# Altium PCB V1I1.PcbDoc (part 2 of 2)
Units mm, origin at the board's own origin, x right, y up, seen from the top; angles counter-clockwise.
Board outline 70 x 150 mm, 4 copper layers (Top Layer, GND, Power, Bottom Layer), stack 1.743 mm thick; 161 components, 106 nets, 602 pads, 656 vias.
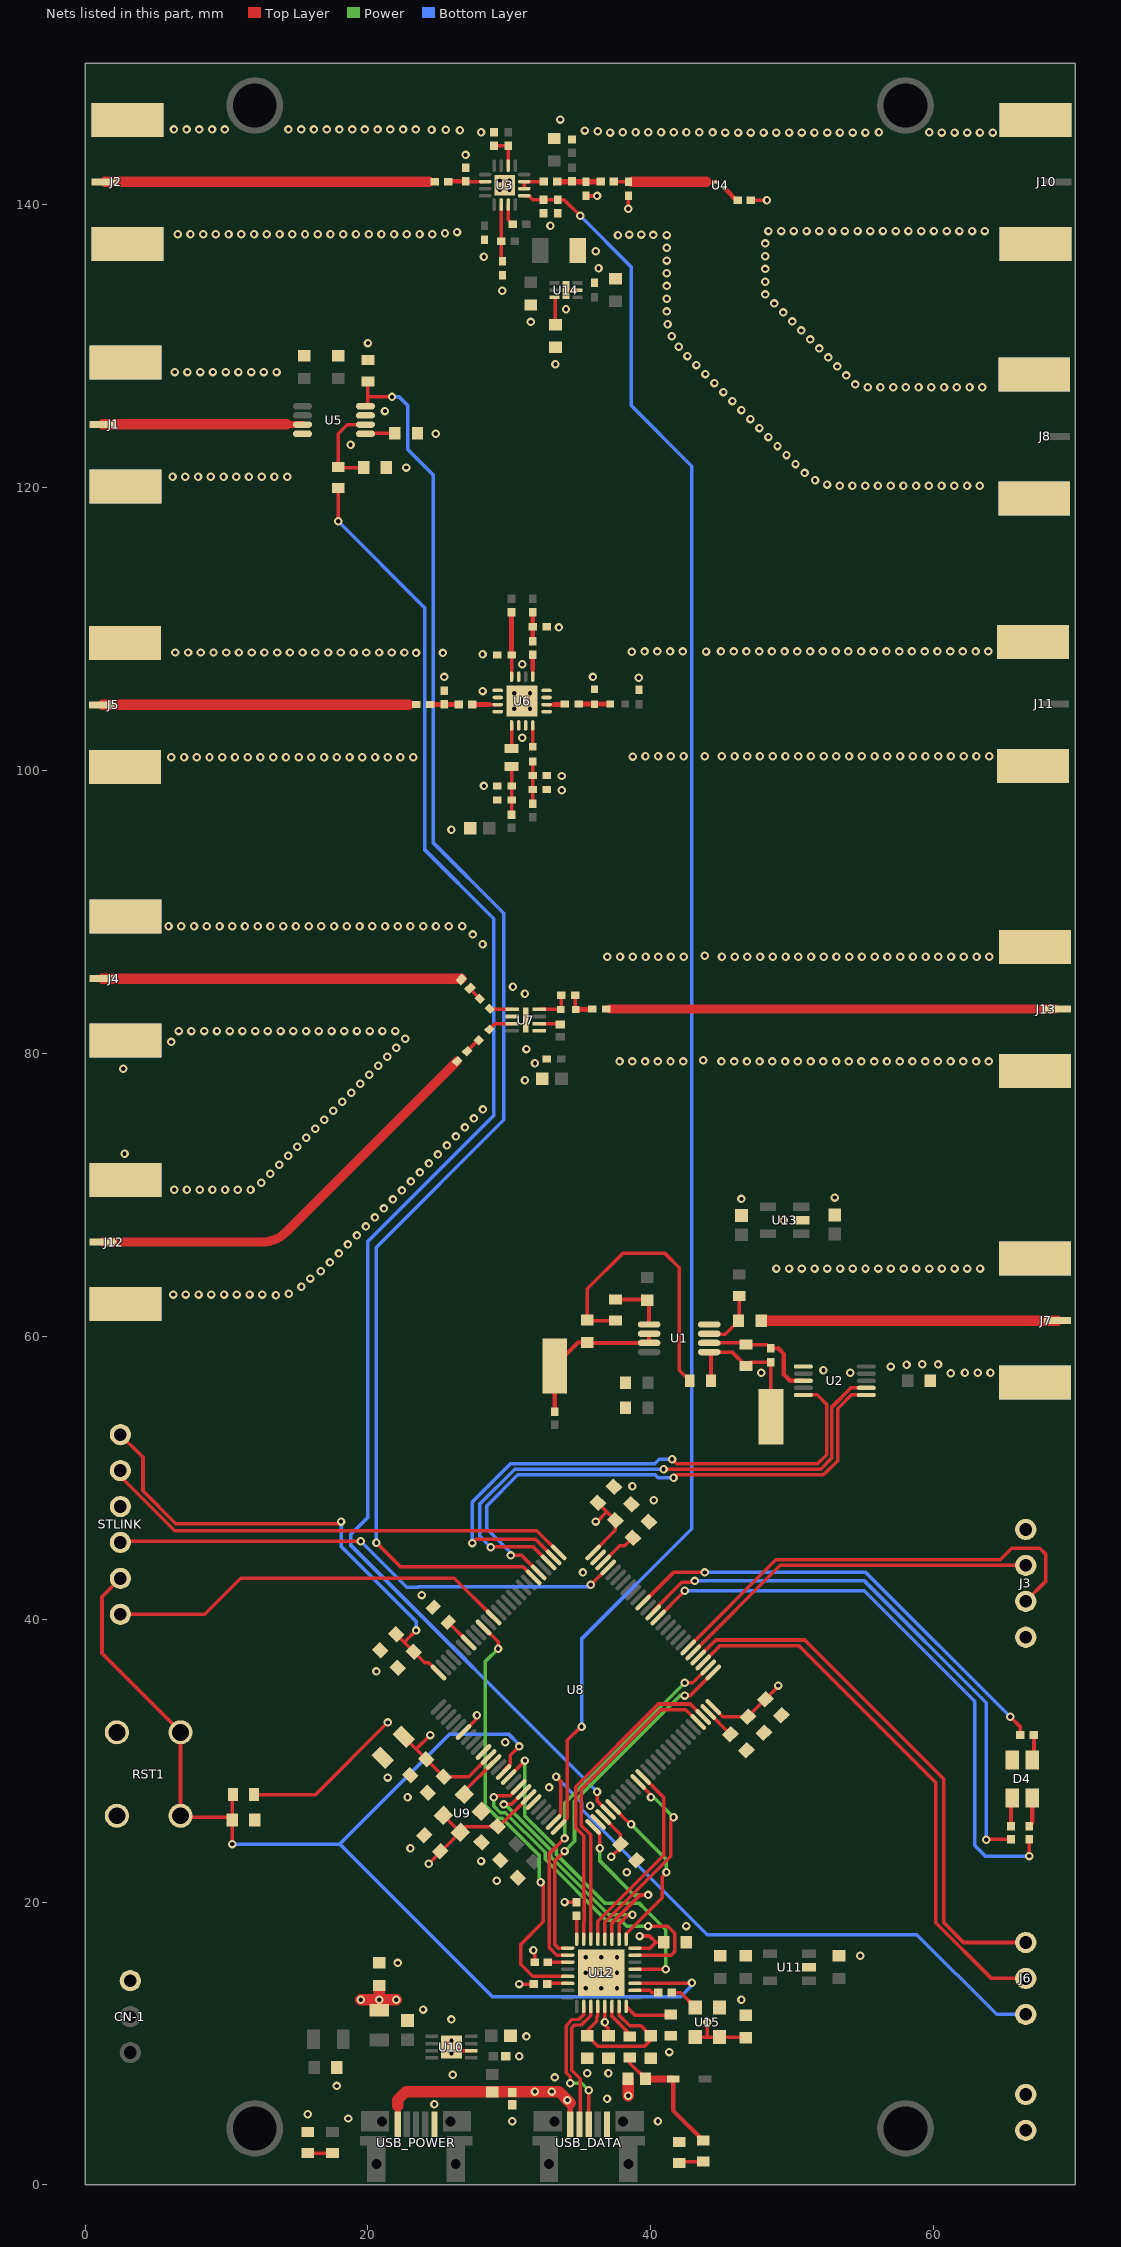
[diagram p4: the nets of this part, all layers, seen from the top]

## Via types
v1: diameter 0.6, hole 0.3, Top Layer to Bottom Layer, tented both sides, 646 vias
v2: diameter 0.6, hole 0.3, Top Layer to Bottom Layer, 10 vias

## Nets (pads, with @x,y where several pads share a name; then routed paths per layer and width w, separated by ;. In a path a pad name is that pad's centre, name@x,y a point inside that pad or via, vN(x,y) a via of type N, cw(c..) or ccw(c..) an arc to the next point about the centre after c; other vN are vias at no path point) (continued)
D3V3: C32.2 C33.1 C35.2 C36.2 C37.2 C38.1 C39.1 C40.1 C41.2 C42.1 C46.2 C47.1 C55.2 C57.2 C58.2 C75.2 FB2.2 J3.1 R12.2 R17.2 R18.2 R19.2 STLINK.1 U8.6 U8.11 U8.19 U8.28 U8.50 U8.75 U8.100 U9.1 U9.4 U12.21 U12.32 U15.1 U15.4 | length 100
  Top Layer w0.25: STLINK.1@2.5,53.04 4.1,51.44 4.1,49.066 6.416,46.75 17.95,46.75 v1(18.1,46.9) ; R12.2@11.95,27.6 16.3,27.6 v1(21.4,32.7) ; C36.2@22.004,38.934 24.019,36.919 24.302,36.919 U8.100@24.991,36.229 ; C40.1@22.534,31.686 23.421,30.8 ; 22.638,38.376 22.638,38.438 v1(23.4,39.2) ; v1(24.3,22.7) 24.3,22.704 U9.1@26.529,24.933 ; v1(24.4,31.8) 23.421,30.821 23.421,30.8 ; U9.4@25.327,26.136 U9.1@26.529,24.933 ; U8.6@26.759,32.022 27.7,32.963 v1(27.7,33.2) ; U8.11@28.527,30.254 27.13,28.858 C38.1@25.363,28.858 23.421,30.8 ; v1(30.7,14.2) R19.2@31.725,14.2 ; U8.19@31.355,27.426 29.252,25.322 26.918,25.322 U9.1@26.529,24.933 ; v1(31.7,16.6) 31.775,16.525 R18.2@31.775,15.75 ; v1(33.9,20) R17.2@34.725,20 ; U8.75@35.916,44.715 37.49,46.288 C33.1@37.49,46.995 36.892,47.592 ; v1(36.1,46.9) 36.2,46.9 36.892,47.592 ; C37.2@36.252,48.233 36.892,47.592 ; U8.28@36.623,26.012 37.843,24.792 C47.1@37.843,24.085 37.843,23.843 v1(37.2,23.2) ; U12.21@36.75,12.625 36.75,11.3 37,11.05 C57.2@37,10.55 ; U12.32@38.875,16.75 39.95,16.75 40.35,17.15 ; v1(39.2,17.6) 39.9,17.6 40.35,17.15 ; C58.2@40.9,17.15 40.35,17.15 ; U15.4@43.15,10.45 44,10.45 ; v1(44,11.5) 44,10.45 ; U8.50@44.402,33.79 45.091,33.101 C46.2@46.859,33.101 C35.2@48.096,34.338 49,35.242 v1(49,35.3) ; C75.2@46.4,10.4 46.35,10.45 U15.1@44.85,10.45 44,10.45
  Top Layer w0.8: v1(19.5,13.1) v1(20.8,13.1) ; FB2.2@20.8,12.35 v1(20.8,13.1) ; C55.2@20.8,14.1 v1(20.8,13.1) ; v1@21.999,13.101 v1(21.998,13.1) v1(20.8,13.1)
  Bottom Layer w0.25: v1(18.1,46.9) 18.1,45.15 23.4,39.85 v1(23.4,39.2)
  other v1: 36.75,11.5
GND: C2.2 C4.2 C5.1 C6.2 C8.1 C9.1 C10.1 C11.1 C12.2 C13.1 C14.1 C15.1 C17.1 C18.1 C19.2 C20.2 C21.1 C22.2 C24.1 C25.2 C26.2 C31.1 C32.1 C33.2 C34.1 C35.1 C36.1 C37.1 C38.2 C39.2 C40.2 C41.1 C42.2 C43.1 C44.2 C45.1 C46.1 C47.2 C48.1 C49.1 C50.1 C51.1 C52.1 C53.1 C54.1 C55.1 C56.1 C57.1 C58.1 C59.1 C60.1 C61.1 C62.1 C64.2 C66.1 C68.2 C69.1 C70.1 C71.2 C72.1 C73.1 C74.2 C75.1 CN-1.3 CN-GND.1 CN-GND.2 D2.2 D4.1 J1.2 J1.3 J1.4 J1.5 J2.2 J2.3 J2.4 J2.5 J3.4 J4.2 J4.3 J4.4 J4.5 J5.2 J5.3 J5.4 J5.5 J7.2 J7.3 J7.4 J7.5 J8.2 J8.3 J8.4 J8.5 J10.2 J10.3 J10.4 J10.5 J11.2 J11.3 J11.4 J11.5 J12.2 J12.3 J12.4 J12.5 J13.2 J13.3 J13.4 J13.5 L4.1 L11.1 R4.1 R6.1 R11.2 R13.2 R14.2 R22.1 R30.1 RST1.2 STLINK.3 U1.4 U2.1 U3.17 U5.3 U5.8 U6.1 U6.3 U6.4 U6.7 U6.9 U6.10 U6.12 U6.14 U6.15 U6.17 U7.2 U7.5 U7.9 U8.10 U8.20 U8.27 U8.74 U9.2 U10.6 U10.9 U11.2 U12.33 U13.2 U14.2 U14.7 U15.2 USB_DATA.5 USB_POWER.5 | length 5.2
  Top Layer w0.25: U10.9@25.9,9.75 26.15,9.5 U10.6@27.295,9.5 ; L4.1@26.9,142.608 L4.1@26.915,142.593 ; U14.7@34,133.95 U14.2@34.81,133.95 ; C9.1@35.415,140.618 35.433,140.6 v1(36.2,140.6) ; v1(38.4,139.7) 38.4,140.603 C10.1@38.415,140.618 ; R4.1@47.075,140.3 v1(48.2,140.3)
  other v1: 30.2,4.5 40.5,4.5 18.6,4.7 15.75,5 24.7,5.7 36.9,6.1 17.8,7 33.2,7.6 26,7.8 35.5,7.9 37,7.9 30.7,9.1 25.9,9.3 41.3,9.4 25.9,10.2 31.2,10.5 25.9,11.7 23.9,12.4 46.4,13.1 35.4,13.9 36.5,13.9 37.6,13.9 35.4,15 36.5,15 37.6,15 22.1,15.7 35.4,16.1 36.5,16.1 37.6,16.1 54.8,16.2 42.5,18.3 29.1,21.5 38.3,22.1 28,22.9 23,23.8 35.7,26.8 22.8,27.4 32.8,28.1 21.4,28.8 29.7,31.3 20.6,36.3 23.8,41.7 35.2,43.3 40.2,48.4 38.7,49.4 61.2,57.375 47.799,57.416 54.099,57.416 62.199,57.416 63.099,57.416 63.999,57.416 52.2,57.6 56.95,57.85 58.075,57.975 60.3,58 59.175,58.025 13.5,62.9 6.229,62.945 7.129,62.945 8.029,62.945 8.929,62.945 9.829,62.945 10.729,62.945 11.629,62.945 12.529,62.947 14.4,63 15.3,63.5 15.924,64.076 16.665,64.587 48.872,64.784 49.772,64.784 50.672,64.784 51.572,64.784 52.472,64.784 53.372,64.784 54.272,64.784 55.172,64.784 56.072,64.784 56.972,64.784 57.872,64.784 58.772,64.784 59.672,64.784 60.572,64.784 61.472,64.784 62.372,64.784 63.272,64.784 17.309,65.215 17.946,65.852 18.582,66.488 19.219,67.125 19.855,67.761 49.4,68.2 20.491,68.397 21.128,69.034 21.764,69.67 46.4,69.7 53,69.8 22.4,70.306 6.303,70.355 7.203,70.355 8.103,70.355 9.003,70.355 9.903,70.355 10.803,70.355 11.703,70.355 12.459,70.843 23.037,70.943 13.096,71.48 23.673,71.579 13.732,72.116 24.31,72.216 14.368,72.752 24.946,72.852 2.8,72.9 15.005,73.389 25.582,73.488 15.641,74.025 26.219,74.125 16.278,74.662 26.855,74.761 16.914,75.298 27.492,75.398 17.55,75.934 28.128,76.034 18.187,76.571 18.823,77.207 19.46,77.844 20.096,78.48 2.7,78.9 20.732,79.116 31.8,79.3 37.788,79.42 38.688,79.42 39.588,79.42 40.488,79.42 41.388,79.42 42.288,79.42 44.988,79.42 45.888,79.42 46.788,79.42 47.688,79.42 48.588,79.42 49.488,79.42 50.388,79.42 51.288,79.42 52.188,79.42 53.088,79.42 53.988,79.42 54.888,79.42 55.788,79.42 56.688,79.42 57.588,79.42 58.488,79.42 59.388,79.42 60.288,79.42 61.188,79.42 62.088,79.42 62.988,79.42 63.888,79.42 43.7,79.5 21.369,79.753 31.2,80.3 22.005,80.389 6.1,80.8 22.642,81.026 6.625,81.57 7.525,81.57 8.425,81.57 9.325,81.57 10.225,81.57 11.125,81.57 12.025,81.57 12.925,81.57 13.825,81.57 14.725,81.57 15.625,81.57 16.525,81.57 17.425,81.57 18.325,81.57 19.225,81.57 20.125,81.57 21.025,81.57 21.925,81.57 31.1,84.2 30.247,84.705 36.921,86.83 37.821,86.83 38.721,86.83 39.621,86.83 40.521,86.83 41.421,86.83 42.321,86.83 45.021,86.83 45.921,86.83 46.821,86.83 47.721,86.83 48.621,86.83 49.521,86.83 50.421,86.83 51.321,86.83 52.221,86.83 53.121,86.83 54.021,86.83 54.921,86.83 55.821,86.83 56.721,86.83 57.621,86.83 58.521,86.83 59.421,86.83 60.321,86.83 61.221,86.83 62.121,86.83 63.021,86.83 63.921,86.83 43.8,86.9 28.1,87.7 27.4,88.4 5.907,88.98 6.807,88.98 7.707,88.98 8.607,88.98 9.507,88.98 10.407,88.98 11.307,88.98 12.207,88.98 13.107,88.98 14.007,88.98 14.907,88.98 15.807,88.98 16.707,88.98 17.607,88.98 18.507,88.98 19.407,88.98 20.307,88.98 21.207,88.98 22.107,88.98 23.007,88.98 23.907,88.98 24.807,88.98 25.707,88.98 26.665,88.974 25.9,95.8 28.2,98.9 33.7,99.6 6.1,100.92 7,100.92 7.9,100.92 8.8,100.92 9.7,100.92 10.6,100.92 11.5,100.92 12.4,100.92 13.3,100.92 14.2,100.92 15.1,100.92 16,100.92 16.9,100.92 17.8,100.92 18.7,100.92 19.6,100.92 20.5,100.92 21.4,100.92 22.3,100.92 23.2,100.92 38.713,100.975 39.613,100.995 40.513,100.995 41.413,100.995 42.313,100.995 45.013,100.995 45.913,100.995 46.813,100.995 47.713,100.995 48.613,100.995 49.513,100.995 50.413,100.995 51.313,100.995 52.213,100.995 53.113,100.995 54.013,100.995 54.913,100.995 55.813,100.995 56.713,100.995 57.613,100.995 58.513,100.995 59.413,100.995 60.313,100.995 61.213,100.995 62.113,100.995 63.013,100.995 63.913,100.995 43.8,101 30.9,102.3 30.35,104.35 31.45,104.35 30.35,105.45 31.45,105.45 28.1,105.6 39.15,106.55 25.4,106.6 35.9,106.6 30.9,107.5 28.1,108.2 23.4,108.3 25.3,108.3 6.382,108.33 7.282,108.33 8.182,108.33 9.082,108.33 9.982,108.33 10.882,108.33 11.782,108.33 12.682,108.33 13.582,108.33 14.482,108.33 15.382,108.33 16.282,108.33 17.182,108.33 18.082,108.33 18.982,108.33 19.882,108.33 20.782,108.33 21.682,108.33 22.582,108.33 38.654,108.385 39.554,108.405 40.454,108.405 41.354,108.405 42.254,108.405 43.9,108.4 44.954,108.405 45.854,108.405 46.754,108.405 47.654,108.405 48.554,108.405 49.454,108.405 50.354,108.405 51.254,108.405 52.154,108.405 53.054,108.405 53.954,108.405 54.854,108.405 55.754,108.405 56.654,108.405 57.554,108.405 58.454,108.405 59.354,108.405 60.254,108.405 61.154,108.405 62.054,108.405 62.954,108.405 63.854,108.405 33.5,110.1 53.349,120.116 54.249,120.116 55.149,120.116 56.049,120.116 56.949,120.116 57.849,120.116 58.749,120.116 59.649,120.116 60.549,120.116 61.449,120.116 62.349,120.116 63.249,120.116 52.453,120.203 51.607,120.51 6.19,120.745 7.09,120.745 7.99,120.745 8.89,120.745 9.79,120.745 10.69,120.745 11.59,120.745 12.49,120.745 13.39,120.745 14.29,120.745 50.865,121.019 22.7,121.4 50.223,121.65 49.587,122.286 48.951,122.923 18.772,123.014 48.314,123.559 24.8,123.8 47.678,124.196 47.042,124.832 21.2,125.4 46.405,125.468 45.769,126.105 45.132,126.741 55.325,127.084 56.225,127.084 57.125,127.084 58.025,127.084 58.925,127.084 59.825,127.084 60.725,127.084 61.625,127.084 62.525,127.084 63.425,127.084 54.446,127.28 44.496,127.378 53.81,127.916 43.86,128.014 6.343,128.155 7.243,128.155 8.143,128.155 9.043,128.155 9.943,128.155 10.843,128.155 11.743,128.155 12.643,128.155 13.543,128.155 53.174,128.553 43.223,128.65 33.25,128.7 52.537,129.189 42.587,129.287 51.901,129.826 41.963,129.936 20,130.2 51.265,130.462 41.468,130.687 50.628,131.098 41.183,131.541 31.5,131.7 49.992,131.735 49.355,132.371 41.116,132.438 34,132.6 48.719,133.008 41.116,133.338 48.084,133.645 29.5,133.9 41.116,134.238 48.084,134.545 41.116,135.138 48.084,135.445 36.3,135.5 41.116,136.038 28.2,136.3 48.084,136.345 36.1,136.7 41.116,136.938 48.084,137.245 37.675,137.825 40.175,137.85 41.116,137.838 38.475,137.875 39.325,137.875 6.55,137.895 7.45,137.895 8.35,137.895 9.25,137.895 10.15,137.895 11.05,137.895 11.95,137.895 12.85,137.895 13.75,137.895 14.65,137.895 15.55,137.895 16.45,137.895 17.35,137.895 18.25,137.895 19.15,137.895 20.05,137.895 20.95,137.895 21.85,137.895 22.75,137.895 23.65,137.895 24.55,137.895 25.447,137.97 26.3,138.05 48.308,138.116 49.208,138.116 50.108,138.116 51.008,138.116 51.908,138.116 52.808,138.116 53.708,138.116 54.608,138.116 55.508,138.116 56.408,138.116 57.308,138.116 58.208,138.116 59.108,138.116 60.008,138.116 60.908,138.116 61.808,138.116 62.708,138.116 63.608,138.116 32.9,138.5 29.315,141.043 30,141.048 29.319,141.7 30,141.7 26.9,143.5 37.117,145.082 45.265,145.084 46.165,145.084 47.065,145.084 47.965,145.084 48.865,145.084 49.765,145.084 50.665,145.084 51.565,145.084 52.465,145.084 53.365,145.084 54.265,145.084 55.165,145.084 60.565,145.084 61.465,145.084 62.365,145.084 63.265,145.084 64.165,145.084 28,145.1 38.016,145.102 38.916,145.102 39.816,145.102 40.716,145.102 41.616,145.102 42.516,145.102 43.416,145.102 44.365,145.096 56.125,145.1 59.675,145.1 36.25,145.175 35.325,145.225 26.5,145.25 24.5,145.275 25.5,145.275 6.282,145.305 7.182,145.305 8.082,145.305 8.982,145.305 9.882,145.305 14.382,145.305 15.282,145.305 16.182,145.305 17.082,145.305 17.982,145.305 18.882,145.305 19.782,145.305 20.682,145.305 21.582,145.305 22.482,145.305 23.382,145.305 33.6,146
  other v2: 31.1,78.1 33.7,98.6 30.9,104.9
LED_B: R28.2 U8.65 | length 32.7
  Top Layer w0.25: U8.65@39.452,41.179 39.479,41.179 41.6,43.3 v1(43.8,43.3) ; v1(65.4,33.1) 66.125,32.375 R28.2@66.125,31.8
  Bottom Layer w0.25: v1(43.8,43.3) 55.2,43.3 v1(65.4,33.1)
LED_G: R26.2 U8.62 | length 41.9
  Top Layer w0.25: U8.62@40.512,40.119 v1(42.4,42.006) ; v1(66.75,23.25) R26.2@66.75,24.425
  Bottom Layer w0.25: v1(42.4,42.006) 55.094,42.006 62.9,34.2 62.9,24 63.65,23.25 v1(66.75,23.25)
LED_R: R27.2 U8.63 | length 39.5
  Top Layer w0.25: U8.63@40.159,40.472 40.159,40.578 42.194,42.613 43.013,42.613 v1(43.1,42.7) ; v1(63.7,24.4) 63.725,24.425 R27.2@65.45,24.425
  Bottom Layer w0.25: v1(43.1,42.7) 55.1,42.7 63.7,34.1 v1(63.7,24.4)
LF_IN: C1.1 J7.1 | length 20.9
  Top Layer w0.74: C1.1@47.8,61.1 J7.1@68.738,61.1
LNA_OUT: C30.1 J5.1 | length 22.2
  Top Layer w0.4: 22.9,104.625 22.925,104.65 C30.1@23.4,104.65
  Top Layer w0.74: J5.1@1.238,104.625 22.9,104.625
MIX_IF: C63.2 J13.1 | length 31.7
  Top Layer w0.4: C63.2@36.85,83.125 C63.2@37.1,83.125
  Top Layer w0.64: C63.2@37.1,83.125 J13.1@68.563,83.125
MIX_LO: C29.1 J12.1 | length 30.2
  Top Layer w0.64: J12.1@1.262,66.65 12.513,66.65 ccw(c12.513,69.044) 14.206,67.351 C29.1@26.296,79.441
MIX_RF: J4.1 L12.1 | length 25.3
  Top Layer w0.74: J4.1@1.262,85.275 L12.1@26.596,85.275
NetC1_2: C1.2 R1.1 U1.3 | length 4.2
  Top Layer w0.25: U1.3@44.125,60.175 44.15,60.15 45.25,60.15 C1.2@46.2,61.1 46.25,61.15 R1.1@46.25,62.85
NetC3_1: C3.1 R25.1 TP1.1 U1.6 U1.7 | length 11.2
  Top Layer w0.3: R25.1@33.2,54.675 TP1.1@33.2,57.9 34.85,59.55 C3.1@35.5,59.55 ; C3.1@35.525,59.525 U1.7@39.875,59.525 U1.6@39.875,60.175
NetC3_2: C3.2 R2.2 R23.1 | length 20.5
  Top Layer w0.25: R23.1@37.5,61.1 35.55,61.1 C3.2@35.5,61.15 35.5,63.35 38,65.85 41,65.85 42,64.85 42,57.6 R2.2@42.75,56.85
NetC6_1: C6.1 L2.2 U3.14 | length 2.4
  Top Layer w0.25: C6.1@28.915,144.143 L2.2@29.915,144.143 U3.14@29.915,142.743
NetC7_1: C7.1 U3.10 U3.11 | length 1.9
  Top Layer w0.25: U3.10@31.04,141.118 U3.11@31.04,141.618 C7.1@32.44,141.618
NetC7_2: C7.2 C9.2 L1.1 L3.1 | length 3
  Top Layer w0.38: C7.2@33.39,141.618 L3.1@36.44,141.618
NetC13_2: C13.2 U5.1 | length 2.2
  Top Layer w0.25: U5.1@19.825,123.79 19.86,123.825 C13.2@22.05,123.825
NetC15_2: C15.2 R5.1 U3.6 | length 4
  Top Layer w0.25: U3.6@29.415,139.993 29.415,136.085 C15.2@29.5,136
NetC16_2: C16.2 L4.2 U3.2 | length 2.6
  Top Layer w0.25: L4.2@26.915,141.643 26.94,141.618 U3.2@28.29,141.618
  Top Layer w0.34: C16.2@25.675,141.6 25.718,141.643 L4.2@26.915,141.643
NetC19_1: C19.1 C21.2 L6.2 R7.1 | length 3.4
  Top Layer w0.25: R7.1@30.15,96.875 C19.1@30.15,97.9 L6.2@30.15,100.26
NetC22_1: C22.1 C24.2 L5.2 R8.2 | length 3
  Top Layer w0.25: R8.2@31.65,97.625 C22.1@31.65,99.65 L5.2@31.65,100.62
NetC23_1: C23.1 L8.1 U7.8 | length 2.6
  Top Layer w0.25: U7.8@32.095,83.1 33.65,83.1 C23.1@33.65,84.1
NetC23_2: C23.2 C63.1 L8.2 | length 2.2
  Top Layer w0.25: L8.2@34.65,83.1 C23.2@34.65,84.1
  Top Layer w0.34: L8.2@34.65,83.1 35.79,83.1 ccw(c35.79,83.185) C63.1@35.85,83.125
NetC25_1: C25.1 R9.1 R20.2 | length 2
  Top Layer w0.34: R20.2@31.65,109.125 C25.1@31.65,110.15 R9.1@31.65,111.175
NetC26_1: C26.1 R10.2 U6.8 | length 4.6
  Top Layer w0.25: U6.8@30.15,106.625 C26.1@30.15,108.15
  Top Layer w0.34: C26.1@30.15,108.15 R10.2@30.15,111.175
NetC27_1: C27.1 L12.2 | length 1
  Top Layer w0.25: L12.2@27.193,84.557 C27.1@27.9,83.85
NetC27_2: C27.2 U7.1 | length 1.6
  Top Layer w0.25: C27.2@28.607,83.143 28.65,83.1 U7.1@30.205,83.1
NetC28_1: C28.1 L9.2 L11.2 | length 2.2
  Top Layer w0.34: C28.1@34.9,104.68 L9.2@37.12,104.68
NetC28_2: C28.2 U6.2 | length 1.3
  Top Layer w0.25: U6.2@32.625,104.65 33.15,104.65
  Top Layer w0.34: 33.15,104.65 C28.2@33.9,104.65
NetC29_2: C29.2 L10.1 | length 1.2
  Top Layer w0.25: C29.2@27.004,80.149 27.796,80.941 L10.1@27.851,80.941
NetC30_2: C30.2 R21.2 R22.2 | length 2
  Top Layer w0.34: C30.2@24.4,104.65 R21.2@26.425,104.65
NetC34_2: C34.2 U8.73 | length 2.8
  Top Layer w0.25: U8.73@36.623,44.008 37.808,45.192 38.161,45.192 C34.2@38.727,45.758
NetC48_2: C48.2 U8.49 | length 2.2
  Top Layer w0.25: U8.49@44.048,33.436 C48.2@45.621,31.863
NetC60_2: C60.2 C61.2 U12.20 U12.23 | length 11.2
  Top Layer w0.25: U12.20@36.25,12.625 36.25,11.95 36.175,11.875 36.175,11.575 35.5,10.9 C61.2@35.5,10.55 36.25,9.8 39.55,9.8 40,10.25 C60.2@40,10.55 39.3,11.25 38.5,11.25 37.75,12 U12.23@37.75,12.625
NetC65_2: C65.2 R23.2 U1.5 | length 4
  Top Layer w0.3: R23.2@37.5,62.6 39.7,62.6 C65.2@39.75,62.55 39.875,62.425 U1.5@39.875,60.825
NetC67_1: C67.1 R24.1 U1.2 U2.3 | length 8.6
  Top Layer w0.25: U1.2@44.125,59.525 46.6,59.525 R24.1@46.725,59.4 48.225,59.4 C67.1@48.475,59.15 49,59.15
  Top Layer w0.3: 49,59.15 49.4,58.75 49.4,57.3 49.85,56.85 U2.3@50.775,56.85
NetC67_2: C67.2 R2.1 R24.2 TP2.1 U1.1 | length 10.2
  Top Layer w0.25: R2.1@44.25,56.85 44.25,58.85 45.775,58.85 R24.2@46.725,57.9 ; R24.2@46.975,58.15 C67.2@48.475,58.15 48.475,54.3 TP2.1@48.5,54.3
NetC70_2: C70.2 R29.2 U5.2 | length 6.4
  Top Layer w0.25: C70.2@19.7,121.4 17.95,121.4 R29.2@17.9,121.45 17.9,123.8 18.54,124.44 U5.2@19.825,124.44
NetC74_1: C74.1 U14.6 | length 1.9
  Top Layer w0.25: C74.1@33.25,131.5 U14.6@33.25,133.39
NetD1_2: D1.2 R13.1 | length 2
  Top Layer w0.25: R13.1@15.5,2.25 D1.2@17.5,2.25
NetD2_1: D2.1 R15.2 | length 1.7
  Top Layer w0.25: D2.1@42,1.55 42.1,1.65 R15.2@43.7,1.65
NetD3_2: D3.2 FB4.1 R15.1 R16.2 | length 9.2
  Top Layer w0.25: R16.2@38.5,9 38.5,8.615 FB4.1@39.615,7.5
  Top Layer w0.3: D3.2@41.575,7.5 41.575,5.275 R15.1@43.7,3.15
  Top Layer w0.5: FB4.1@39.615,7.5 D3.2@41.575,7.5
NetD4_2: D4.2 R28.1 | length 1.8
  Top Layer w0.3: D4.2@66.957,30.05 67.075,30.168 R28.1@67.075,31.8
NetD4_3: D4.3 R27.1 | length 2
  Top Layer w0.3: R27.1@65.45,25.375 65.45,27.257 D4.3@65.542,27.35
NetD4_4: D4.4 R26.1 | length 2.1
  Top Layer w0.3: R26.1@66.75,25.375 66.957,25.582 D4.4@66.957,27.35
NetL5_1: L5.1 U6.16 | length 1.5
  Top Layer w0.25: L5.1@31.65,101.68 U6.16@31.65,103.175
NetL6_1: L6.1 U6.13 | length 1.6
  Top Layer w0.25: L6.1@30.15,101.54 U6.13@30.15,103.175
NetL7_1: L7.1 U7.6 | length 1.6
  Top Layer w0.25: U7.6@32.095,82.1 L7.1@33.65,82.1
NetL10_2: L10.2 U7.3 | length 1.8
  Top Layer w0.25: L10.2@28.559,81.649 29.01,82.1 U7.3@30.205,82.1
NetR3_1: R3.1 U3.7 | length 1.5
  Top Layer w0.25: U3.7@29.915,139.993 29.915,138.91 R3.1@30.225,138.6
NetR4_2: R4.2 U4.3 | length 1.3
  Top Layer w0.25: U4.3@45.2,141.15 45.35,141
  Top Layer w0.34: 45.35,141 46.05,140.3 R4.2@46.125,140.3
NetR11_1: R11.1 U8.94 | length 2
  Top Layer w0.25: R11.1@25.681,39.783 U8.94@27.113,38.351
NetR14_1: R14.1 U12.24 | length 3.4
  Top Layer w0.25: U12.24@38.25,12.625 38.875,12 41.35,12 R14.1@41.4,12.05
NetR16_1: R16.1 U12.22 | length 2.2
  Top Layer w0.25: U12.22@37.25,12.625 37.25,11.934 38.334,10.85
NetR17_1: R17.1 U12.8 | length 1.7
  Top Layer w0.25: U12.8@34.75,17.375 R17.1@34.75,19.025
NetR18_1: R18.1 U12.11 | length 1.4
  Top Layer w0.25: R18.1@32.725,15.75 U12.11@34.125,15.75
NetR19_1: R19.1 U12.14 | length 1.4
  Top Layer w0.25: R19.1@32.725,14.25 U12.14@34.125,14.25
NetR20_1: R20.1 U6.5 | length 1.5
  Top Layer w0.25: U6.5@31.65,106.625 31.65,107.15
  Top Layer w0.34: 31.65,107.15 R20.1@31.65,108.175
NetR21_1: R21.1 U6.11 | length 1.8
  Top Layer w0.25: 28.6,104.65 U6.11@29.175,104.65
  Top Layer w0.34: R21.1@27.375,104.65 28.6,104.65
NetR31_1: R31.1 U15.3 | length 2.1
  Top Layer w0.25: R31.1@41.475,13.6 42.1,13.6 U15.3@43.15,12.55
NetR31_2: R31.2 U12.26 | length 1.7
  Top Layer w0.25: U12.26@38.875,13.75 39.95,13.75 40.1,13.6 R31.2@40.525,13.6
NetU8_12: U8.12 U9.3 | length 3.1
  Top Layer w0.25: U9.3@26.812,27.62 26.812,27.833 U8.12@28.881,29.901
NRST: C45.2 R12.1 RST1.1 STLINK.5 U8.14 U12.27 | length 87.1
  Top Layer w0.25: STLINK.5@2.5,42.88 1.2,41.58 1.2,37.6 6.75,32.05 RST1.1@6.75,32 6.75,26 10.2,26 C45.2@10.4,25.8 ; v1(10.4,24.1) C45.2@10.4,25.8 ; R12.1@10.4,27.55 C45.2@10.4,25.8 ; U8.14@29.588,29.194 29.588,29.3 30.066,29.778 30.066,30.366 v1(30.7,31) ; U12.27@38.875,14.25 42.85,14.25 v1(42.9,14.3)
  Bottom Layer w0.25: v1(10.4,24.1) 18,24.1 ; v1(30.7,31) 30.7,31.113 29.938,31.875 25.775,31.875 18,24.1 ; v1(42.9,14.3) 42.9,14.1 42.1,13.3 28.8,13.3 18,24.1
PA1: J6.1 U8.24 | length 44
  Top Layer w0.25: U8.24@33.123,25.658 33.625,26.16 33.625,28.525 v1(33.3,28.85)
  Bottom Layer w0.25: v1(33.3,28.85) 35.125,27.025 35.125,26.562 43.987,17.7 58.8,17.7 64.44,12.06 J6.1@66.5,12.06
PA2: C14.2 R6.2 U3.9 U8.25 | length 125.6
  Top Layer w0.25: U3.9@31.04,140.618 31.382,140.618 31.657,140.343 C14.2@32.415,140.343 R6.2@33.415,140.343 33.857,140.343 v1(35,139.2) ; U8.25@33.477,25.305 34.1,25.928 34.1,31.434 35.066,32.4 v1(35.1,32.4)
  Bottom Layer w0.25: v1(35,139.2) 38.6,135.6 38.6,125.8 42.9,121.5 42.9,46.4 35.1,38.6 v1(35.1,32.4)
PA4: R29.1 U8.29 | length 109.9
  Top Layer w0.25: v1(17.9,117.6) R29.1@17.9,119.95 ; v1(36.2,27.8) 36.2,27.142 U8.29@36.977,26.365
  Bottom Layer w0.25: v1(17.9,117.6) 24,111.5 24,94.4 28.9,89.5 28.9,75.6 20,66.7 20,47.2 18.8,46 18.8,45.2 v1(36.2,27.8)
PA15: U2.5 U8.77 | length 41.5
  Top Layer w0.25: v2(27.375,45.375) 27.637,45.637 31.847,45.637 U8.77@33.123,44.361 ; v2(41.5,51.3) 41.825,50.975 51.775,50.975 52.425,51.625 52.425,55.175 51.75,55.85 U2.5@50.775,55.85
  Bottom Layer w0.25: v2(27.375,45.375) 27.375,48.275 30.075,50.975 40.275,50.975 40.6,51.3 v2(41.5,51.3)
PA_IN: C16.1 J2.1 | length 22.9
  Top Layer w0.74: J2.1@1.412,141.6 24.3,141.6
PA_OUT: C10.2 L3.2 U4.1 | length 6.9
  Top Layer w0.25: L3.2@37.39,141.618 C10.2@38.415,141.618 ; 43.9,141.6 U4.1@44.6,141.6
  Top Layer w0.74: 38.7,141.618 43.9,141.6
PB14: J6.2 U8.53 | length 38.9
  Top Layer w0.25: U8.53@43.694,36.937 44.883,38.125 50.475,38.125 60.15,28.45 60.15,18.525 64.075,14.6 J6.2@66.5,14.6
PB15: J6.3 U8.54 | length 38.5
  Top Layer w0.25: U8.54@43.341,37.29 44.576,38.525 50.875,38.525 60.716,28.684 60.716,18.525 62.101,17.14 J6.3@66.5,17.14
PC10: U2.7 U8.78 | length 40.8
  Top Layer w0.25: v2(28.687,45.087) 28.7,45.1 31.677,45.1 U8.78@32.77,44.008 ; v2(40.9,50.6) 52,50.6 52.8,51.4 52.8,55 54.15,56.35 U2.7@55.225,56.35
  Bottom Layer w0.25: v2(28.687,45.087) 27.887,45.887 27.887,48.113 30.375,50.6 v2(40.9,50.6)
PC12: U2.6 U8.80 | length 39.1
  Top Layer w0.25: v2(30.1,44.5) 30.863,44.5 U8.80@32.063,43.301 ; v2(41.6,50) 41.8,50.2 52.2,50.2 53.2,51.2 53.2,54.87 54.18,55.85 U2.6@55.225,55.85
  Bottom Layer w0.25: v2(30.1,44.5) 30.1,44.7 28.4,46.4 28.4,48 30.6,50.2 40.3,50.2 40.5,50 v2(41.6,50)
PD0: R30.2 U5.4 U8.81 | length 104
  Top Layer w0.25: U5.4@19.825,125.74 20,125.915 20,126.4 ; R30.2@20,127.5 20,126.4 ; v1(20.6,45.4) 22.3,43.7 30.956,43.7 U8.81@31.709,42.947 ; v1(21.7,126.4) 20,126.4
  Bottom Layer w0.25: v1(20.6,45.4) 20.6,66.3 29.6,75.3 29.6,89.9 24.6,94.9 24.6,120.9 22.8,122.7 22.8,125.8 22.2,126.4 v1(21.7,126.4)
SWCLK: STLINK.2 U8.76 | length 33.6
  Top Layer w0.25: STLINK.2@2.5,50.5 2.5,50.1 6.35,46.25 31.942,46.25 U8.76@33.477,44.715
SWDIO: STLINK.4 U8.72 | length 36.5
  Top Layer w0.25: STLINK.4@2.5,45.42 2.58,45.5 v1(19.5,45.5) ; v1(35.75,42.427) U8.72@36.977,43.654
  Bottom Layer w0.25: v1(19.5,45.5) 22.75,42.25 23.537,42.25 23.562,42.275 35.725,42.275 35.75,42.3 v1(35.75,42.427)
SWO: STLINK.6 U8.89 | length 28.7
  Top Layer w0.25: STLINK.6@2.5,40.34 8.46,40.34 11.02,42.9 26.099,42.9 U8.89@28.881,40.119
  Bottom Layer w0.25: STLINK.6@2.5,40.34 STLINK.6@2.59,40.25
ULPI_CK: U8.30 U12.1 | length 12.1
  Top Layer w0.25: U8.30@37.33,26.719 38.549,25.5 v1(38.6,25.5) ; U12.1@38.25,17.375 38.25,17.75 40.8,20.3 40.8,21.8 v1(41.1,22.1)
  Power w0.25: v1(38.6,25.5) 41.1,23 v1(41.1,22.1)
ULPI_D0: U8.26 U12.3 | length 12
  Top Layer w0.25: v1(36.4,23.8) 36.4,24.821 U8.26@36.27,24.951 ; U12.3@37.25,17.375 37.25,18.519 39.231,20.5 v1(39.8,20.5) ; U8.26@36.27,24.951 U8.26@35.916,25.305 U8.26@36.27,24.951
  Power w0.25: v1(36.4,23.8) 36.4,22.9 38.8,20.5 v1(39.8,20.5)
ULPI_D1: U8.35 U12.4 | length 14.3
  Top Layer w0.25: U12.4@36.75,17.375 36.75,18.584 41.4,23.234 41.4,25.8 v1(41.6,26) ; U8.35@39.098,28.487 40,27.585 v1(40,27.4)
  Power w0.25: v1(40,27.4) 40.2,27.4 v1(41.6,26)
ULPI_D2: U8.36 U12.5 | length 14
  Top Layer w0.25: U12.5@36.25,17.375 36.25,18.65 40.9,23.3 40.9,27.392 U8.36@39.452,28.84
ULPI_D3: U8.47 U12.6 | length 22
  Top Layer w0.25: U12.6@35.75,17.375 35.75,24.75 35.085,25.415 35.085,27.985 40.7,33.6 42.47,33.6 U8.47@43.341,32.729 U8.47@43.47,32.6
ULPI_D4: U8.48 U12.7 | length 22.9
  Top Layer w0.25: U12.7@35.25,17.375 35.25,18.561 35.3,18.611 35.3,19.439 35.25,19.489 35.25,19.511 35.3,19.561 35.3,20.389 35.25,20.439 35.25,24.684 34.685,25.25 34.685,28.15 40.534,34 42.777,34 U8.48@43.694,33.083
ULPI_D5: U8.51 U12.9 | length 25.3
  Top Layer w0.25: v1(33.9,23.6) 33.2,22.9 33.2,17 33.45,16.75 U12.9@34.125,16.75 ; v1(42.4,34.6) 42.772,34.6 U8.51@44.402,36.229
  Power w0.25: v1(33.9,23.6) 34.6,24.3 34.6,27.134 42.066,34.6 v1(42.4,34.6)
ULPI_D6: U8.52 U12.10 | length 26.3
  Top Layer w0.25: v1(33.9,24.5) 32.8,23.4 32.8,16.8 33.35,16.25 U12.10@34.125,16.25 ; v1(42.4,35.5) 42.965,35.5 U8.52@44.048,36.583
  Power w0.25: v1(33.9,24.5) 33.9,27 v1(42.4,35.5)
ULPI_D7: U8.91 U12.13 | length 30.8
  Top Layer w0.25: U8.91@28.173,39.411 28.189,39.411 29.2,38.4 v1(29.2,37.9) ; v1(32.2,21.4) 32.4,21.2 32.4,18.6 30.8,17 30.8,15.6 31.65,14.75 U12.13@34.125,14.75
  Power w0.25: v1(29.2,37.9) 28.3,37 28.3,26.821 29.196,25.925 29.475,25.925 32.125,23.275 32.125,21.475 v1(32.2,21.4)
ULPI_DIR: U8.17 U12.31 | length 23.7
  Top Layer w0.25: v1(28.9,27.4) 29,27.5 30.015,27.5 U8.17@30.648,28.133 ; U12.31@38.875,16.25 41.45,16.25 41.7,16.5 41.7,17.8 41.2,18.3 v1(39.8,18.3)
  Power w0.25: v1(28.9,27.4) 28.9,26.787 29.362,26.325 29.709,26.325 32.525,23.509 32.525,23.03 36.855,18.7 37.9,18.7 38.3,18.3 v1(39.8,18.3)
ULPI_NXT: U8.18 U12.2 | length 16.7
  Top Layer w0.25: v1(29.6,26.9) 30.122,26.9 U8.18@31.002,27.78 ; U12.2@37.75,17.375 37.75,18.45 38.4,19.1 v1(38.7,19.1)
  Power w0.25: v1(29.6,26.9) 29.7,26.9 32.925,23.675 32.925,23.196 37.021,19.1 v1(38.7,19.1)
ULPI_STP: U8.15 U12.29 | length 24.1
  Top Layer w0.25: U8.15@29.941,28.84 v1(31.1,29.999) ; U12.29@38.875,15.25 v1(41.05,15.25)
  Power w0.25: v1(31.1,29.999) 31.1,26.066 33.325,23.841 33.325,23.362 36.787,19.9 39.2,19.9 39.6,19.5 41.05,18.05 v1(41.05,15.25)
USART3_RX: J3.3 U8.56 | length 32.3
  Top Layer w0.25: U8.56@42.634,37.997 48.837,44.2 64.7,44.2 65.5,45 67.5,45 67.9,44.6 67.9,42.66 J3.3@66.5,41.26
USART3_TX: J3.2 U8.55 | length 26.1
  Top Layer w0.25: U8.55@42.987,37.644 49.144,43.8 J3.2@66.5,43.8
USB_N: U12.19 USB_DATA.2 | length 9.4
  Top Layer w0.24: USB_DATA.2@34.95,4.3 35,4.35 35,7.5 34.4,8.1 34.4,11.11 34.6,11.31 35.082,11.31 35.75,11.978 U12.19@35.75,12.625
USB_P: U12.18 USB_DATA.3 | length 10.2
  Top Layer w0.24: v1(34.3,7.2) 34.3,7.648 34.01,7.938 34.01,11.272 34.438,11.7 34.92,11.7 35.25,12.03 U12.18@35.25,12.625 ; USB_DATA.3@35.6,4.3 v1(35.6,6.7)
  Power w0.24: v1(34.3,7.2) 35.1,7.2 v1(35.6,6.7)
VBUS_USB: C49.2 FB1.1 FB4.2 USB_DATA.1 USB_POWER.1 | length 17.2
  Top Layer w0.4: USB_POWER.1@22.1,4.3 22.1,5.6 ; USB_DATA.1@34.3,4.3 v1@34.3,5.8
  Top Layer w0.8: 22.1,5.6 22.1,6 22.7,6.6 33.5,6.6 v1@34.3,5.8 ; FB4.2@38.385,7.5 38.4,7.485 v1(38.4,6.3)
  other v1: 34.1,6 31.8,6.6 33,6.6
VCO_OUT: J1.1 U5.7 | length 14.1
  Top Layer w0.5: 14.26,124.44 U5.7@15.375,124.44
  Top Layer w0.74: J1.1@1.262,124.45 14.25,124.45
pads on no net: U2.2 U2.9 U2.10 U3.1 U3.3 U3.4 U3.12 U3.13 U3.15 U3.16 U6.6 U7.4 U7.7 U8.1 U8.2 U8.3 U8.4 U8.5 U8.7 U8.8 U8.9 U8.13 U8.23 U8.31 U8.32 U8.33 U8.34 U8.37 U8.38 U8.39 U8.40 U8.41 U8.42 U8.43 U8.44 U8.45 U8.46 U8.57 U8.58 U8.59 U8.60 U8.61 U8.64 U8.66 U8.67 U8.68 U8.69 U8.70 U8.71 U8.79 U8.82 U8.83 U8.84 U8.85 U8.86 U8.87 U8.88 U8.90 U8.92 U8.93 U8.95 U8.96 U8.97 U8.98 U8.99 U10.4 U11.4 U12.12 U12.15 U12.16 U12.17 U12.25 U13.4 U14.5 USB_DATA.4 USB_DATA.6 USB_POWER.2 USB_POWER.3 USB_POWER.4 USB_POWER.6
copper on no net:
  other v1: 15.5,130.6 17.9,130.6
  other v2: 28.2,97.9

## Polygon pours and split planes (outlines as drawn)
GND on Top Layer "Top Layer-No Net" (solid, shelved, pour order 14): 0.5,55.9 17.6,55.9 24.7,63 32.3,70.6 69.7,70.6 69.7,0.7 69.4,0.4 42.6,0.4 0.7,0.4 0.5,0.6 0.5,1.7 0.5,55.6
GND on Top Layer "GND" (solid, shelved, pour order 12): 0.25,55 69.75,55 69.75,149.5 69.5,149.75 0.35,149.75 0.25,149.65
GND on GND "GND" (solid, shelved, pour order 17): 0.2,149.8 0.2,0.2 69.8,0.2 69.8,149.8
VBUS_USB on Power "GND" (solid, shelved, pour order 15): 17.6,0 17.6,7.3 34.3,7.3 34.4,7.3 35.3,8.2 40.5,8.2 41.5,8.2 41.5,0.1
D3V3 on Power "D3.3V" (solid, shelved, pour order 19): 0.7,50.8 70,50.8 70.1,50.9 69.7,50.5 69.7,17.1 69.7,7.7 2.3,7.7 0.8,9.2
3V3 on Power "3.3V" (solid, shelved, pour order 16): 17.8,11.7 29.2,11.7 46.8,11.7 47.6,12.5 47.6,15.2 51.8,15.2 52.3,14.7 52.2,14.6 52.2,10.4 51.4,10.4 49.5,8.5 48.4,7.4 17.8,7.4
A3V3 on Power "A3V3" (solid, shelved, pour order 18): 17.7,7.8 17.7,17.5 19.3,19.1 25.9,19.1 30.834,24.034 32,24.034 29.709,26.325 26.084,22.7 20.6,22.7 20.1,22.7 18.4,24.4 18.3,24.5 18.3,50.4 18.9,51 69.8,51 69.8,149.2 69.25,149.75 0.5,149.75 0.25,149.5 0.3,7.8
GND on Bottom Layer "GND" (solid, shelved, pour order 11): 0.25,0.4 69.75,0.4 69.75,149.5 69.5,149.75 0.5,149.75 0.25,149.5

## Keep-outs
Keep-Out Layer:
  the board outline again, w0.254

## Other copper
Top Layer:
  region net 3V3: 25,9.3 23.8,9.3 23.3,9.8 17.9,9.8 17.9,10.7 24.9,10.7 25,10.6
  region net 5V: 29.3,7.4 28.1,7.4 28.1,9.6 27.8,9.9 26.8,9.9 26.8,10.6 27.8,10.6 28.2,11 29.2,11 29.2,8.6 29.3,8.5
  pour cut-out: 48.3,58 70,58 70,64.25 48.3,64.25
  region net A3V3: 16.6,11 16.6,7.8 11.6,7.8 11.1,8.3 11.1,10.5 11.6,11
  region net 3V0: 31,134.1 31.9,134.1 32.1,134.3 32.7,134.3 33.5,134.3 33.5,134.6 33,134.6 32.8,134.8 32.8,137.6 31.5,138.9 30.911,138.9 30.9,138.889 30.9,137.9 30.3,137.9 30.1,137.7 30.1,137.1 31,136.2 31,135
  pour cut-out: 0.25,144.854 0.25,138.34 25.8,138.34 25.8,144.754
  pour cut-out: 34.75,144.75 34.75,138.25 34.812,138.312 41.42,138.312 41.42,130.83 51.91,120.34 69.75,120.34 69.75,126.854 69.676,126.78 54.517,126.78 47.75,133.547 47.75,138.5 70,138.5 69.75,138.75 69.75,144.854
  pour cut-out: 39.4,107.98 69.726,107.93 69.75,107.954 69.75,101.446 39.4,101.446
  pour cut-out: 0.25,107.75 24,107.75 24,101.25 0.365,101.25 0.25,101.365
  pour cut-out: 0.25,88.535 0.285,88.5 26.5,88.5 29,86 29,77.75 14.646,63.396 0.25,63.396 0.25,69.904 11.997,69.904 24.114,82.021 0.25,82.021
  pour cut-out: 36.75,79.75 36.75,86.25 36.879,86.379 69.75,86.379 69.75,79.871
  pour cut-out: 0.25,127.5 14.25,127.5 14.25,121.25 0.25,121.25

## Silkscreen, mask and mechanical layers (free items; w line width, h text height)
Top Overlay:
  text "Power Amplifier" at 20.9,147.8 h1.5
  text "Coupler" at 44.7,146.3 h1.5
  text "PA_IN" at 7,136.1 h1
  text "PA_OUT" at 57,135.7 h1
  text "VCO_OUT" at 6.6,131.2 h1
  text "COUPLED" at 56,127.7 h1
  text "VCO" at 26.6,123.7 h1.5
  text "E" at 27.1,111.2 h15
  text "LNA" at 37.975,109.65 h1.5
  text "LNA_IN" at 56.6,109 h1
  text "LNA_OUT" at 7.4,108.7 h1
  text "RF_IN" at 7.4,90.2 h1
  text "MIXER" at 31.7,87.95 h1.5
  text "IF_OUT" at 57.6,87.7 h1
  text "LO_IN" at 6.7,71.5 h1
  text "IF_IN" at 58.5,65.7 h1
  text "FILTERS" at 22.5,64.25 h1.5
  text "3.3V" at 4.8,52.5 h1
  text "CLK" at 4.9,50.1 h1
  text "UART" at 59.8,48.2 h1
  text "GND" at 4.8,47.6 h1
  text "3.3V" at 60.8,45.9 h1
  text "SWDIO" at 4.8,44.8 h1
  text "TX" at 62.3,43.3 h1
  text "NRST" at 4.8,42.4 h1
  text "RX" at 62.4,40.8 h1
  text "SWO" at 4.8,39.9 h1
  text "GND" at 61.7,38 h1
  text "A" at 51.85,21.575 h5

## Text inside footprints (layer, text, board x,y; h text height)
CN-1: Top Overlay "GND" at 5.3,13.9 h1.27; Top Overlay "3.3V" at 5.3,11.4 h1.27; Top Overlay "5V" at 5.3,8.8 h1.27
J3: Top Overlay "1" at 65.865,48.499 h0.7 r270; Top Overlay "4" at 65.9,36.7 h0.7 r270
J6: Top Overlay "1" at 69.421,11.806 h1.27 r90
STLINK: Top Overlay "1" at 1.865,55.199 h0.7 r270; Top Overlay "6" at 1.992,38.562 h0.7 r270